# KiCad board helios-panel.kicad_pcb (continued)
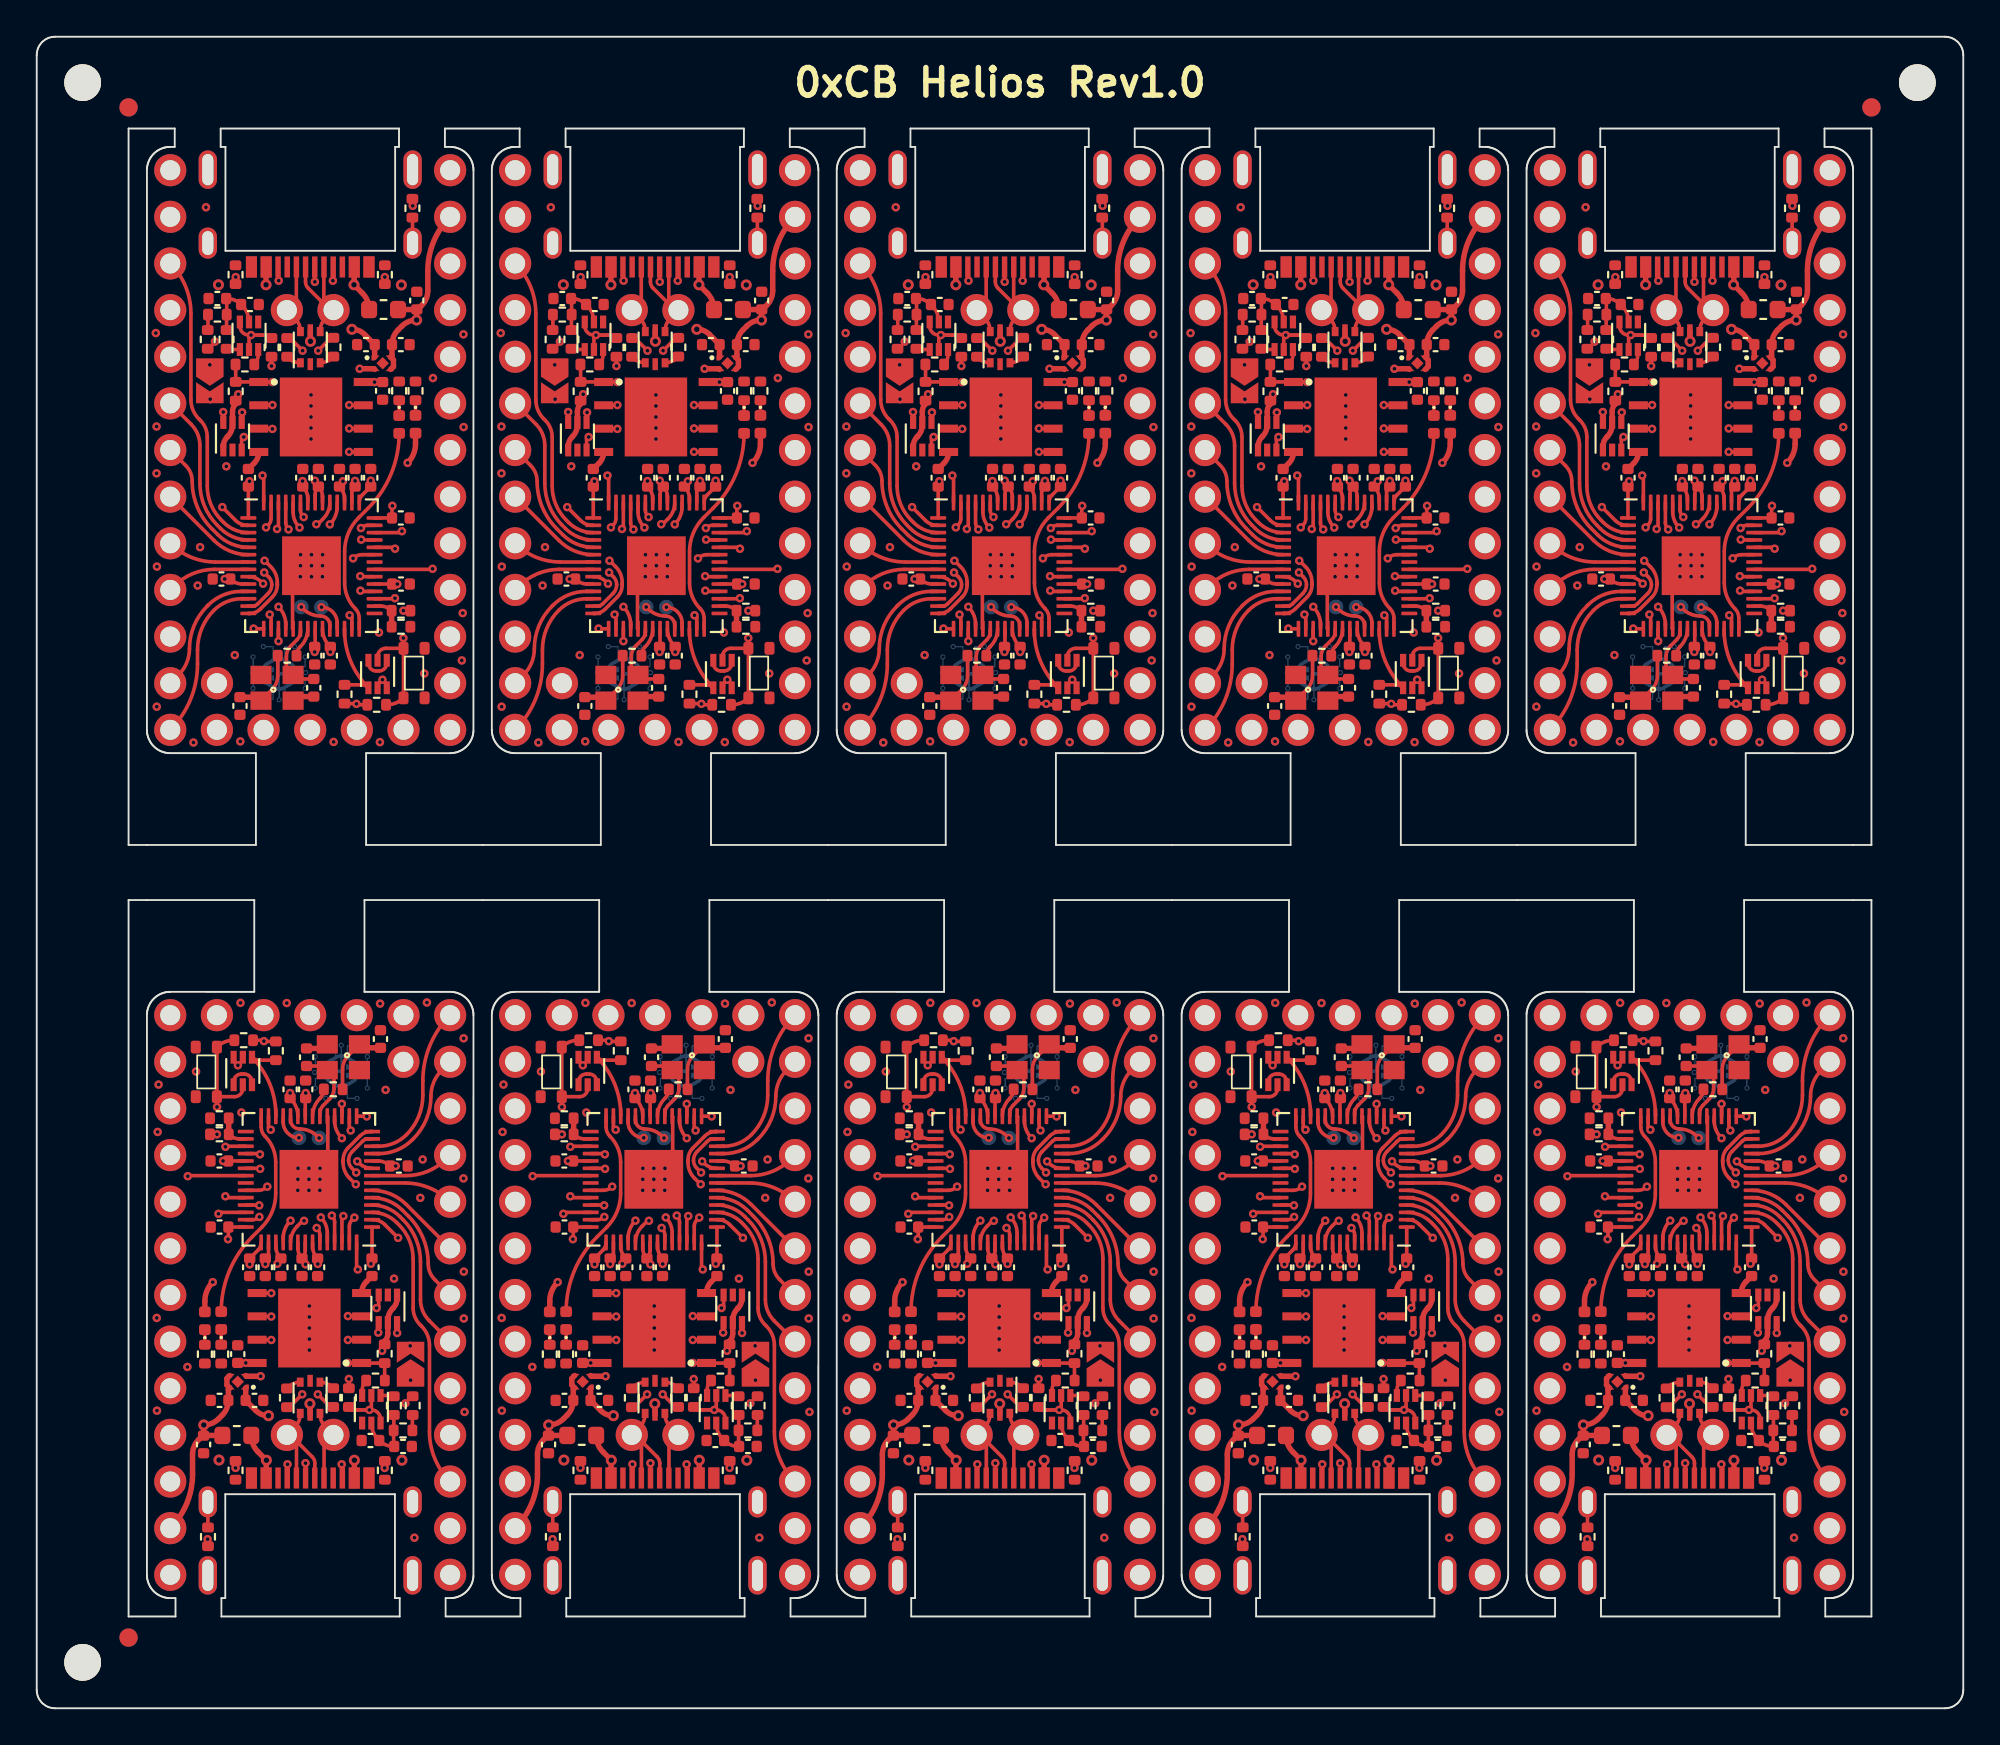
[diagram p0: board, top side]
## Routing (per net, layer and track width the routed paths; a pad name or vN(x,y) marks a point on that pad's centre or on a via; arc(x,y) is an arc through that point) (continued)
Board_7-Net-(Q2-Pad1): length 0.7
  Top w0.2: Q2#10.1 56.97,17.04 R4#8.1
Board_7-Net-(R5-Pad2): length 0.8
  Top w0.2: 58.03,15.98 58.02,15.96 R5#6.2
Board_7-Net-(R14-Pad2): length 1.6
  Top w0.2: R14#6.2 arc(53.14,33.45) 53,33.23 52.98,33.21 arc(52.68,32.77) U4#4.21
Board_7-VBUS: length 28.7
  Top w0.2: v1(47.38,31.26) R16#6.1
  Top w0.3: v2(54.86,13.51) 54.86,12.54 ; 50.06,12.54 50.06,13.5 v2(50.06,13.51) 49.62,13.96 arc(49.34,14.37) F1#9.1
  In2.Cu w0.2: v1(47.38,31.26) arc(46.85,30.48) 46.67,29.56 46.67,21.7 arc(47.55,17.27) v2(50.06,13.51)
  In2.Cu w0.3: v2(54.86,13.51) arc(54.59,12.86) 53.94,12.59 50.98,12.59 arc(50.33,12.86) v2(50.06,13.51)
Board_8-+1V1: length 15.7
  Top w0.2: v1(71.64,24.2) 71.64,24.21 C17#10.1 arc(71.43,24.8) 71.36,25.16 U4#5.50 ; v1(69.44,24.21) 69.64,24.4 C10.2 arc(69.43,24.8) 69.36,25.16 U4#5.45 ; v1(70.14,33.51) C19.1 70.17,33.2 arc(70.46,32.76) U4#5.23
  In2.Cu w0.2: v1(71.64,24.2) 70.61,25.24 ; 70.61,25.24 70.08,25.76 arc(69.79,26.2) 69.69,26.72 69.69,32.43 arc(69.8,33.01) v1(70.14,33.51) ; 70.61,25.24 69.58,24.21 v1(69.44,24.21)
Board_8-+3V3: length 20.5
  Top w0.2: 67.75,29.81 C12#10.1 v1(66.48,29.81) ; R3#2.1 68.72,36.32 v1(68.71,36.34) 68.66,36.39 R1#10.1 ; v1(70.97,24.18) 70.78,24.37 C14#7.1 ; U4#5.1 74.6,24.5 C16#6.1 74.59,24.27 v1(74.53,24.21) ; v1(75.89,29.54) C15#2.1 arc(75.28,29.74) 74.92,29.81 U4#5.10 ; v1(66.75,25.55) 66.78,25.57 C13#5.1 67.75,26.21 ; R2#6.1 v1(73.33,17.94) ; C6#7.1 v1(67.72,18.81) 67.73,18.81 U3#7.8 ; v1(67.94,24.18) C18#7.1 68.39,24.95 arc(68.51,25.14) U4#5.43 ; v1(68.78,24.19) C9#6.2 68.9,24.62 arc(68.94,24.68) 68.96,24.76 U4#5.44 ; v1(75.14,19.47) 75.14,19.68 R11#7.1 ; U4#5.48 70.56,25.04 arc(70.62,24.75) C14#7.1 ; U4#5.22 70.96,33.21 C11.1 ; U4#5.49 70.96,24.92 arc(70.91,24.69) C14#7.1
  Top w0.3: R11#7.1 75.28,20 75.34,20.05 arc(75.43,20.23) 75.46,20.42 U5#9.5 75.46,21.13 arc(75.53,21.48) 75.73,21.78 75.74,21.79 arc(75.9,22.03) 75.96,22.32 U5#9.1 ; U2#6.1 67.72,16.78 ; 67.72,16.77 68.27,16.21 arc(68.59,16) 68.95,15.93
  vias: v1(70.98,33.51) v1(75.8,23.4) v1(76.69,17.87) v2(68.96,15.94)
Board_8-+5V: length 25.1
  Top w0.3: 65.44,14.86 C3#9.1 65.38,14.85 65.16,14.63 arc(64.91,14.26) 64.83,13.83 64.83,12.74 arc(64.51,11.16) J2#9.30 ; 65.44,14.86 v2(65.44,15.43) arc(65.87,15.52) 66.24,15.76 66.44,15.97 arc(66.69,16.34) C4#5.1 66.78,17.38 U2#6.4 66.7,17.6 66.7,17.97 U2#6.3 ; 65.44,14.86 F1#3.2 ; v2(71.22,16.59) 71.22,16.58 71.22,15.98 ; v1(75.97,20.44) 75.96,20.45 U5#9.6
  In1.Cu w0.3: v1(75.97,20.44) 75.97,20.16 arc(75.69,18.77) 74.9,17.6 arc(73.77,16.84) 72.44,16.58 71.23,16.58 v2(71.22,16.59) 68.24,16.59 arc(66.72,16.29) v2(65.44,15.43)
Board_8-/0_TX0: length 18.4
  Top w0.2: U4#5.2 74.65,26.61 arc(75,26.54) 75.29,26.34 v1(76.02,25.62)
  In1.Cu w0.2: J2#9.2 78.85,10.38 arc(78.81,10.57) 78.7,10.73 78.67,10.77 arc(77.78,12.1) 77.47,13.68 77.47,22.91 arc(77.28,23.82) 76.77,24.59 76.21,25.15 arc(76.07,25.37) v1(76.02,25.62)
Board_8-/1_RX0: length 16.4
  Top w0.2: J2#9.3 arc(78.02,13.6) 77.72,15.07 77.72,19.77 arc(77.61,20.33) 77.29,20.81 77.21,20.9 arc(76.93,21.31) 76.83,21.8 76.83,24.47 arc(76.63,25.48) 76.06,26.33 75.94,26.45 arc(75.33,26.87) U4#5.3
Board_8-/2_SDA1: length 9.4
  Top w0.2: J2#9.6 77.71,21.11 arc(77.36,21.64) 77.23,22.26 77.23,24.33 arc(76.99,25.56) 76.29,26.6 76.11,26.78 arc(75.42,27.25) U4#5.4
Board_8-/3_SCL1: length 7.3
  Top w0.2: J2#9.7 78.01,23.35 arc(77.75,23.74) 77.66,24.21 arc(77.38,25.61) 76.58,26.8 76.26,27.12 arc(75.5,27.63) U4#5.5
Board_8-/4: length 5.4
  Top w0.2: J2#9.8 76.46,27.44 arc(75.61,28.01) U4#5.6
Board_8-/5: length 4.5
  Top w0.2: U4#5.7 76.39,28.61 arc(77.72,28.34) J2#9.9
Board_8-/6: length 4.6
  Top w0.2: U4#5.8 76.44,29.01 arc(77.63,29.25) 78.64,29.92 J2#9.10
Board_8-/7: length 6.9
  Top w0.2: U4#5.9 74.56,29.41 arc(74.2,29.48) 73.9,29.69 v1(73.8,29.79)
  In2.Cu w0.2: v1(73.8,29.79) 75.14,31.13 arc(76.84,32.27) J2#9.11
Board_8-/8: length 7.3
  Top w0.2: U4#5.11 74.98,30.21 arc(75.95,30.4) 76.78,30.95 76.85,31.02 arc(77.56,32.08) 77.81,33.34 arc(77.96,34.1) 78.39,34.75 J2#9.12
Board_8-/9: length 9.2
  Top w0.2: U4#5.12 74.96,30.61 arc(75.78,30.77) 76.47,31.24 arc(77.13,32.23) 77.36,33.39 77.36,34.16 arc(77.75,36.11) J2#9.13
Board_8-/10: length 26.5
  Top w0.2: v1(73.73,29.18) 73.5,29.42 arc(73.37,29.61) 73.32,29.84 arc(73.37,30.1) 73.52,30.32 74.09,30.89 arc(74.22,30.98) 74.37,31.01 U4#5.13
  In2.Cu w0.2: v1(73.73,29.18) 73.77,29.18 77.05,25.9 arc(77.46,25.28) 77.61,24.56 77.61,10.28 arc(77.93,8.65) J2#9.1
Board_8-/11: length 38
  Top w0.2: U4#5.14 74.51,31.41 arc(74.21,31.35) 73.95,31.18 73.3,30.53 arc(73.09,30.22) 73.02,29.86 73.02,29.73 arc(73.11,29.26) 73.38,28.87 73.7,28.54 v1(73.72,28.54)
  In1.Cu w0.2: v1(73.72,28.54) 73.72,28.35 arc(73.81,28.13) 74.03,28.04 arc(74.89,27.68) 75.24,26.82 75.24,26.59 arc(75.41,25.76) 75.88,25.06 76.54,24.4 arc(77,23.7) 77.17,22.88 77.17,14.39 arc(76.61,13.06) 75.28,12.51 66,12.51 arc(65.17,12.17) 64.83,11.33 64.83,10.2 arc(64.51,8.62) J2#9.31
Board_8-/12: length 6.6
  Top w0.2: v1(74.31,32.23) 74.3,32.25 U4#5.15
  In1.Cu w0.2: v1(74.31,32.23) 74.31,32.92 arc(74.83,35.53) J2#9.14
Board_8-/13: length 7.2
  Top w0.2: U4#5.16 73.36,31.55 v1(73.44,31.47)
  In1.Cu w0.2: J2#9.15 73.77,32.28 arc(73.68,31.84) v1(73.44,31.47)
Board_8-/14: length 6
  Top w0.2: U4#5.17 72.96,32.92 v1(72.95,32.92)
  In1.Cu w0.2: v1(72.95,32.92) 72.95,33.59 arc(72.51,35.84) J2#9.16
Board_8-/15: length 9.5
  Top w0.2: U4#5.18 72.56,32 arc(72.66,31.49) v1(72.95,31.05)
  In1.Cu w0.2: J2#9.17 71.23,35.21 arc(72.06,33.96) 72.36,32.5 arc(72.51,31.71) v1(72.95,31.05)
Board_8-/16: length 7.9
  Top w0.2: U4#5.27 68.96,31.64 v1(69.08,31.51)
  In1.Cu w0.2: J2#9.18 66.75,37.15 arc(68.48,34.56) v1(69.08,31.51)
Board_8-/20_SDI: length 4.9
  Top w0.2: v1(66.61,30.58) 66.64,30.61 U4#5.31
  In1.Cu w0.2: J2#9.21 65.05,31.23 arc(65.77,30.75) v1(66.61,30.58)
Board_8-/21_CS: length 10.1
  Top w0.2: v1(68.5,30.17) 68.45,30.21 U4#5.32
  In1.Cu w0.2: J2#9.19 66.51,34.85 arc(67.81,33.02) 68.44,30.88 68.44,30.22 v1(68.5,30.17)
Board_8-/22_SCK: length 5.9
  Top w0.2: U4#5.34 68.47,29.41 v1(68.5,29.38)
  In1.Cu w0.2: v1(68.5,29.38) 68.46,29.34 65.53,29.34 arc(64.49,29.54) J2#9.22
Board_8-/23_SDO: length 9.8
  Top w0.2: U4#5.35 64.59,29.01 v1(64.56,28.98)
  In2.Cu w0.2: v1(64.56,28.98) 64.69,29.11 64.69,32.83 arc(64.46,34.03) 63.78,35.04 J2#9.20
Board_8-/A0: length 4.2
  Top w0.2: U4#5.38 66.69,27.81 v1(66.61,27.89)
  In1.Cu w0.2: v1(66.61,27.89) 64.32,27.89 arc(63.94,27.81) J2#9.23
Board_8-/A1: length 6.5
  Top w0.2: v1(68.45,27.39) 68.44,27.41 U4#5.39
  In1.Cu w0.2: J2#9.24 65.71,27.15 arc(66,27.34) 66.34,27.41 68.43,27.41 v1(68.45,27.39)
Board_8-/A2: length 6.8
  Top w0.2: U4#5.40 66.31,27.01 v1(66.23,26.93)
  In1.Cu w0.2: J2#9.25 64.97,23.87 arc(65.91,25.27) v1(66.23,26.93)
Board_8-/A3: length 9.4
  Top w0.2: v1(68.47,26.76) 68.46,26.76 arc(68.3,26.65) 68.11,26.61 U4#5.41
  In1.Cu w0.2: J2#9.26 64.48,20.84 arc(64.77,21.28) 64.88,21.8 arc(65.1,22.91) 65.72,23.85 68.47,26.59 v1(68.47,26.76)
Board_8-/BOOT: length 0.9
  Top w0.2: Q2#4.3 74.06,17.33 arc(74.12,17.61) 74.28,17.85
Board_8-/D+: length 12.7
  Top w0.2: v1(71.64,17.1) 72.33,16.41 R12#7.2 ; v1(70.89,26.55) 70.82,26.55 70.53,26.26 arc(70.26,25.85) U4#5.47
  In1.Cu w0.2: v1(71.64,17.1) 71.02,17.73 arc(70.54,18.45) 70.37,19.29 70.37,20.15 70.37,24.04 arc(70.41,24.23) 70.52,24.39 70.61,24.49 arc(70.72,24.65) 70.76,24.84 70.76,26.41 v1(70.89,26.55)
Board_8-/D-: length 12.7
  Top w0.2: v1(70.8,17.1) 70.09,16.4 R13#3.2 ; U4#5.46 69.76,25.59 arc(69.86,26.12) v1(70.16,26.56)
  In1.Cu w0.2: v1(70.8,17.1) 70.8,17.11 arc(70.76,17.3) 70.65,17.46 arc(70.11,18.27) 69.92,19.22 69.92,20.53 arc(69.89,20.6) 69.83,20.62 arc(69.77,20.65) 69.74,20.71 69.74,20.83 arc(69.77,20.9) 69.83,20.92 69.92,20.92 69.92,20.93 69.98,20.93 arc(70.03,20.95) 70.05,21 70.05,21.17 arc(70.03,21.22) 69.98,21.23 arc(69.94,21.25) 69.92,21.3 69.92,24.22 arc(69.96,24.41) 70.07,24.58 70.16,24.67 arc(70.27,24.83) 70.31,25.03 70.31,26.21 arc(70.27,26.4) 70.16,26.56 v1(70.16,26.56)
Board_8-/LED: length 11.7
  Top w0.2: U4#5.28 68.56,31.66 arc(68.61,31.39) 68.77,31.16 arc(69.2,30.51) 69.36,29.74 69.36,28.04 arc(69.16,27.04) 68.59,26.19 68.07,25.68 arc(66.82,23.81) D2#3.2
Board_8-/PORT+: length 7.1
  Top w0.2: 70.98,12.54 70.98,13.34 v1(70.97,13.35) ; U1.6 71.76,16.04 arc(71.84,15.66) 72.06,15.33 J2#9.34 71.98,14.38 71.98,12.54
  In1.Cu w0.2: J2#9.34 72.33,14.89 70.97,13.53 v1(70.97,13.35)
Board_8-/PORT-: length 7.1
  Top w0.2: J2#9.33 70.39,15.32 arc(70.61,15.65) 70.69,16.03 U1.4 ; J2#9.33 70.48,14.37 70.48,12.54 ; J2#9.33 70.14,14.89 71.34,13.7 arc(71.45,13.53) 71.48,13.34 71.48,12.54
Board_8-/QSPI_CLK: length 11.3
  Top w0.2: U4#5.52 72.16,25.89 arc(72.07,26.35) v1(71.81,26.73) ; v1(69.11,21.34) 69.1,21.35 U3#7.6
  In2.Cu w0.2: v1(71.81,26.73) 71.81,26.64 arc(72.27,25.94) 72.44,25.13 72.44,23.85 arc(72.26,23.43) 71.84,23.26 69.14,23.26 arc(68.78,23.11) 68.64,22.76 68.64,22.48 arc(68.76,21.86) v1(69.11,21.34)
Board_8-/QSPI_CS: length 9.8
  Top w0.2: v1(73.83,23.9) 73.76,23.97 73.76,25.35 ; R9#3.1 75.28,17.86 R11#7.2 74.03,18.8 U3#7.1 73.29,18.81 v1(73.28,18.81)
  In2.Cu w0.2: v1(73.83,23.9) arc(74,23.64) 74.06,23.34 74.06,20.68 arc(73.86,19.67) v1(73.28,18.81)
Board_8-/QSPI_SD0: length 11.3
  Top w0.2: v1(72.41,26.84) 72.41,26.83 arc(72.52,26.67) 72.56,26.48 U4#5.53 ; v1(69.11,22.61) 69.11,22.62 U3#7.5
  In2.Cu w0.2: v1(72.41,26.84) 72.41,26.76 arc(72.65,26.4) 72.73,25.98 72.73,23.8 arc(72.49,23.21) 71.9,22.96 71.06,22.96 arc(70.96,22.92) 70.92,22.81 70.92,22.56 arc(70.87,22.45) 70.77,22.41 arc(70.66,22.45) 70.61,22.56 70.61,22.81 arc(70.57,22.92) 70.47,22.96 arc(70.36,22.92) 70.31,22.81 70.31,22.56 arc(70.27,22.45) 70.17,22.41 arc(70.06,22.45) 70.02,22.56 70.02,22.81 arc(69.97,22.92) 69.86,22.96 arc(69.49,22.89) 69.17,22.67 v1(69.11,22.61)
Board_8-/QSPI_SD1: length 11.4
  Top w0.2: v1(73.64,26.72) 73.51,26.6 arc(73.4,26.43) 73.36,26.24 U4#5.55 ; U3#7.2 73.3,20.08 v1(73.28,20.06)
  In2.Cu w0.2: v1(73.64,26.72) 73.47,26.56 arc(73.37,26.41) 73.33,26.24 arc(73.38,26.13) 73.48,26.09 73.58,26.09 arc(73.69,26.05) 73.73,25.94 arc(73.69,25.83) 73.58,25.79 73.48,25.79 arc(73.38,25.75) 73.33,25.64 arc(73.38,25.53) 73.48,25.49 73.58,25.49 arc(73.69,25.45) 73.73,25.34 arc(73.69,25.23) 73.58,25.19 73.48,25.19 arc(73.38,25.15) 73.33,25.04 arc(73.38,24.93) 73.48,24.89 73.58,24.89 arc(73.69,24.85) 73.73,24.74 arc(73.69,24.63) 73.58,24.59 73.48,24.59 arc(73.38,24.55) 73.33,24.44 73.33,23.88 arc(73.37,23.69) 73.48,23.53 73.61,23.4 arc(73.72,23.23) 73.76,23.04 73.76,22.7 arc(73.72,22.6) 73.61,22.55 73.51,22.55 arc(73.4,22.51) 73.36,22.4 arc(73.4,22.3) 73.51,22.25 73.61,22.25 arc(73.72,22.21) 73.76,22.1 73.76,21.2 arc(73.64,20.59) v1(73.28,20.06)
Board_8-/QSPI_SD2: length 11.3
  Top w0.2: v1(73.03,26.81) 72.96,26.73 U4#5.54 ; v1(73.28,21.36) 73.3,21.35 U3#7.3
  In2.Cu w0.2: v1(73.03,26.81) 73.03,22.81 arc(72.99,22.7) 72.89,22.66 72.19,22.66 arc(72.08,22.62) 72.03,22.51 arc(72.08,22.4) 72.19,22.36 72.89,22.36 arc(72.99,22.32) 73.03,22.21 arc(72.99,22.1) 72.89,22.06 72.19,22.06 arc(72.08,22.02) 72.03,21.91 arc(72.08,21.8) 72.19,21.76 72.89,21.76 arc(72.99,21.72) 73.03,21.61 v1(73.28,21.36)
Board_8-/QSPI_SD3: length 11.4
  Top w0.2: v1(69.11,20.06) 69.09,20.08 U3#7.7 ; v1(71.58,26.16) 71.61,26.13 arc(71.72,25.97) 71.76,25.78 U4#5.51
  In2.Cu w0.2: v1(71.58,26.16) arc(71.99,25.55) 72.13,24.84 72.13,23.91 arc(72.04,23.68) 71.8,23.58 69.12,23.58 arc(68.54,23.34) 68.3,22.76 68.3,22.03 arc(68.51,20.96) v1(69.11,20.06)
Board_8-/RESET: length 24.7
  Top w0.2: v1(66.16,32.75) 66.15,32.76 SW1#4.2 ; SW1#4.2 67.11,33.31 arc(67.43,33.44) 67.56,33.76 Q1#4.2 67.56,33.96 ; SW1#4.2 SW1#4.2 arc(66.57,36.29) 67.06,36.39 R1#10.2
  In2.Cu w0.2: J2#9.28 arc(64.75,16.6) 65.15,18.61 65.15,30.33 arc(65.41,31.64) v1(66.16,32.75)
Board_8-/RGB_5V: length 17.5
  Top w0.2: U5#9.4 74.96,20.48 v1(74.94,20.46)
  In2.Cu w0.2: v1(74.94,20.46) arc(75.22,20.89) 75.32,21.39 75.32,24.88 arc(75.09,26.04) 74.43,27.02 73.16,28.29 arc(72.85,28.76) 72.74,29.31 arc(72.86,29.92) 73.21,30.44 75.12,32.34 arc(76,33.66) J2#9.32
Board_8-/RGB_DO: length 15.4
  Top w0.2: U4#5.37 68.41,28.21 arc(68.67,28.26) v1(68.89,28.41) ; U5#9.3 74.96,21.92 v1(74.84,21.8)
  In1.Cu w0.2: v1(74.84,21.8) 75.64,21.8 arc(76.29,22.07) 76.56,22.73 arc(76.42,23.46) 76,24.08 75.23,24.86 arc(74.79,25.51) 74.64,26.28 74.64,26.79 arc(74.45,27.25) 74,27.44 70.76,27.44 arc(69.94,27.6) 69.24,28.06 v1(68.89,28.41)
Board_8-/RST: length 4.9
  Top w0.2: U4#5.26 69.36,32.32 arc(69.02,34.02) Q1#4.4 68.07,35.45 arc(68.24,35.34) 68.43,35.3 R3#2.2
Board_8-/SWD_CLK: length 2.2
  Top w0.2: v1(71.72,31.06) 71.62,31.15 arc(71.18,31.45) 70.66,31.55 arc(70.31,31.7) 70.16,32.05 U4#5.24
Board_8-/SWD_IO: length 1.7
  Top w0.2: U4#5.25 69.76,31.92 arc(70.01,31.32) v1(70.61,31.07)
Board_8-/USB+: length 0.8
  Top w0.2: R12#7.1 72.43,17.48 arc(72.13,17.69) U1.1
Board_8-/USB-: length 0.8
  Top w0.2: R13#3.1 70.03,17.49 arc(70.33,17.69) U1.3
Board_8-GND: length 8.8
  Top w0.2: Q1#4.1 67.06,34.12 arc(67.19,34.42) 67.49,34.54 67.63,34.54 arc(67.93,34.42) 68.06,34.12 Q1#4.3 ; v1(71.16,28.81) 72.19,29.84 72.19,32.22 U4#5.19
  Top w0.3: C16#6.2 74.28,23.23 arc(74.1,22.95) U3#7.4 ; v1(68.53,18.09) 67.75,18.09 U2#6.2 ; C7#2.1 71.94,35.94 Y1#10.2
  vias: v1(62.92,31.39) v1(62.88,21.26) v1(62.89,16.21) v1(62.97,33.97) v1(64.55,18.59) v1(65.02,34.68) v1(65.64,9.21) v1(67.44,38.42) v1(67.48,32.45) v1(69.95,38.41) v1(70.56,29.41) v1(70.56,28.81) v1(70.56,28.21) v1(71.16,29.41) v1(71.16,28.21) v1(71.19,21.91) v1(71.19,21.31) v1(71.19,20.71) v1(71.19,20.11) v1(71.19,19.51) v1(71.77,29.41) v1(71.76,28.81) v1(71.75,28.21) v1(75.03,38.38) v1(75.33,33.68) v1(76.42,16.61) v1(76.91,9.29) v1(77.22,27.8) v1(77.36,29.89) v1(77.58,38.44) v1(79.58,36.49) v1(79.58,28.86) v1(79.59,23.78) v1(79.59,21.23) v1(79.64,16.14) v2(66.27,13.52) v2(76.22,13.51)
Board_8-Net-(C1-Pad1): length 3.7
  Top w0.2: 75.78,15.98 75.78,15.15 75.78,15.14 75.78,14.29 C1#6.1 75.77,14.26 arc(75.35,14.34) C2#5.1 74.93,14.65 arc(74.66,15.05) Q2#4.5
Board_8-Net-(C7-Pad2): length 4.1
  Top w0.2: C7#2.2 71.94,34.98 Y1#10.3 72.38,34.54 arc(72.49,34.38) 72.53,34.19 72.53,33.76 arc(72.46,33.45) 72.29,33.18 71.94,32.83 arc(71.81,32.64) 71.76,32.4 U4#5.20
Board_8-Net-(C8-Pad2): length 4
  Top w0.2: Y1#10.1 73.31,35.56 arc(73.08,35.21) 73,34.8 R14#5.1
  Top w0.3: Y1#10.1 74.1,35.97 C8.2
Board_8-Net-(D1-Pad1): length 0.8
  Top w0.2: D1#6.1 R10#8.1
Board_8-Net-(D1-Pad2): length 24.2
  Top w0.2: JP1.2 76.67,19.48 v1(76.67,19.74)
  Top w0.3: D1#6.2 65.5,22.17 arc(65.61,22.73) v1(65.92,23.21)
  In1.Cu w0.2: v1(76.67,19.74) 76.69,19.74 arc(76.82,19.94) 76.86,20.17 76.86,22.84 arc(76.72,23.58) 76.3,24.21 75.55,24.96 arc(75.1,25.63) 74.94,26.42 74.94,26.81 arc(74.67,27.46) 74.02,27.74 70.74,27.74 arc(70.33,27.82) 69.99,28.05 69.28,28.76 arc(68.92,28.9) 68.57,28.76 68.55,28.74 arc(68.41,28.39) 68.55,28.03 68.79,27.79 arc(69.15,26.92) 68.79,26.05 65.95,23.21 v1(65.92,23.21)
Board_8-Net-(D2-Pad1): length 0.8
  Top w0.2: D2#3.1 R15#7.1
Board_8-Net-(FB1-Pad1): length 1.4
  Top w0.2: 65.66,11.24 65.66,9.86 FB1#4.1
Board_8-Net-(J1-PadA5): length 4.1
  Top w0.2: v1(70,13.29) 69.98,13.28 69.98,12.54 ; R7#7.2 v1(67.17,13.09)
  In1.Cu w0.2: v1(67.17,13.09) 67.27,12.99 69.26,12.99 arc(69.66,13.06) v1(70,13.29)
Board_8-Net-(J1-PadB5): length 3.6
  Top w0.2: R8#10.2 75.3,13.1 v1(75.28,13.09) ; 72.98,12.54 72.98,13.25 v1(72.95,13.29)
  In1.Cu w0.2: v1(75.28,13.09) 75.18,12.99 73.67,12.99 arc(73.28,13.06) v1(72.95,13.29)
Board_8-Net-(Q1-Pad5): length 28.5
  Top w0.2: 73.81,16.25 74.56,16.25 arc(74.91,16.1) 75.06,15.75 Q2#4.6 ; 73.81,16.25 73.5,16.25 R2#6.2 ; 73.81,16.25 v1(74.45,16.25) 74.56,16.36 Q2#4.2 ; Q1#4.5 67.56,35.29 v1(67.3,35.02) 67.06,35.26 Q1#4.6
  In2.Cu w0.2: v1(74.45,16.25) 74.57,16.37 arc(74.68,16.54) 74.72,16.73 74.72,18.81 arc(74.68,19) 74.57,19.16 74.54,19.2 arc(74.41,19.4) 74.36,19.63 74.36,22.2 arc(74.44,22.59) 74.66,22.92 arc(74.93,23.32) 75.02,23.79 75.02,24.77 arc(74.79,25.92) 74.14,26.89 72.89,28.14 arc(72.56,28.64) 72.44,29.22 72.44,31.62 arc(71.45,34.02) 69.04,35.02 67.3,35.02 v1(67.3,35.02)
Board_8-Net-(Q2-Pad1): length 0.7
  Top w0.2: Q2#4.1 75.75,17.04 R4#10.1
Board_8-Net-(R5-Pad2): length 0.8
  Top w0.2: 76.81,15.98 76.8,15.96 R5#8.2
Board_8-Net-(R14-Pad2): length 1.6
  Top w0.2: R14#5.2 arc(71.92,33.45) 71.78,33.23 71.76,33.21 arc(71.46,32.77) U4#5.21
Board_8-VBUS: length 28.7
  Top w0.2: v1(66.16,31.26) 65.78,31.26
  Top w0.3: v2(73.64,13.51) 73.64,12.54 ; 68.83,12.54 68.83,13.5 v2(68.84,13.51) 68.4,13.96 arc(68.12,14.37) F1#3.1
  In2.Cu w0.2: v1(66.16,31.26) arc(65.63,30.48) 65.45,29.56 65.45,21.7 arc(66.33,17.27) v2(68.84,13.51)
  In2.Cu w0.3: v2(73.64,13.51) arc(73.37,12.86) 72.72,12.59 69.76,12.59 arc(69.11,12.86) v2(68.84,13.51)
Board_9-+1V1: length 15.7
  Top w0.2: v1(90.42,24.2) 90.42,24.21 C17#7.1 arc(90.21,24.8) 90.14,25.16 U4#3.50 ; v1(88.22,24.21) 88.42,24.4 C10#10.2 arc(88.21,24.8) 88.14,25.16 U4#3.45 ; v1(88.92,33.51) C19#2.1 88.95,33.2 arc(89.24,32.76) U4#3.23
  In2.Cu w0.2: v1(90.42,24.2) 89.39,25.24 ; 89.39,25.24 88.86,25.76 arc(88.57,26.2) 88.47,26.72 88.47,32.43 arc(88.58,33.01) v1(88.92,33.51) ; 89.39,25.24 88.36,24.21 v1(88.22,24.21)
Board_9-+3V3: length 20.5
  Top w0.2: 86.53,29.81 C12#4.1 v1(85.27,29.81) ; R3#5.1 87.5,36.32 v1(87.49,36.34) 87.44,36.39 R1#7.1 ; v1(89.75,24.18) 89.56,24.37 C14#10.1 ; U4#3.1 93.38,24.5 C16#7.1 93.38,24.27 v1(93.31,24.21) ; v1(94.67,29.54) C15.1 arc(94.06,29.74) 93.7,29.81 U4#3.10 ; v1(85.53,25.55) 85.56,25.57 C13#10.1 86.53,26.21 ; R2#4.1 v1(92.11,17.94) ; C6#2.1 v1(86.5,18.81) 86.51,18.81 U3#3.8 ; v1(86.72,24.18) C18#10.1 87.17,24.95 arc(87.29,25.14) U4#3.43 ; v1(87.56,24.19) C9#5.2 87.68,24.62 arc(87.72,24.68) 87.74,24.76 U4#3.44 ; v1(93.92,19.47) 93.92,19.68 R11#4.1 ; U4#3.48 89.34,25.04 arc(89.4,24.75) C14#10.1 ; U4#3.22 89.74,33.21 C11#8.1 ; U4#3.49 89.74,24.92 arc(89.69,24.69) C14#10.1
  Top w0.3: R11#4.1 94.06,20 94.12,20.05 arc(94.21,20.23) 94.24,20.42 U5#6.5 94.24,21.13 arc(94.31,21.48) 94.51,21.78 94.52,21.79 arc(94.68,22.03) 94.74,22.32 U5#6.1 ; U2#4.1 86.5,16.78 ; 86.5,16.77 87.05,16.21 arc(87.37,16) 87.73,15.93
  vias: v1(89.77,33.51) v1(94.58,23.4) v1(95.47,17.87) v2(87.74,15.94)
Board_9-+5V: length 25.1
  Top w0.3: 84.22,14.86 C3#7.1 84.16,14.85 83.94,14.63 arc(83.69,14.26) 83.61,13.83 83.61,12.74 arc(83.29,11.16) J2#4.30 ; 84.22,14.86 v2(84.22,15.43) arc(84.65,15.52) 85.02,15.76 85.22,15.97 arc(85.47,16.34) C4#9.1 85.56,17.38 U2#4.4 85.48,17.6 85.48,17.97 U2#4.3 ; 84.22,14.86 F1.2 ; v2(90,16.59) 90,16.58 90,15.98 ; v1(94.75,20.44) 94.74,20.45 U5#6.6
  In1.Cu w0.3: v1(94.75,20.44) 94.75,20.16 arc(94.47,18.77) 93.68,17.6 arc(92.55,16.84) 91.22,16.58 90.01,16.58 v2(90,16.59) 87.02,16.59 arc(85.5,16.29) v2(84.22,15.43)
Board_9-/0_TX0: length 18.4
  Top w0.2: U4#3.2 93.43,26.61 arc(93.78,26.54) 94.07,26.34 v1(94.8,25.62)
  In1.Cu w0.2: J2#4.2 97.63,10.38 arc(97.59,10.57) 97.48,10.73 97.45,10.77 arc(96.56,12.1) 96.25,13.68 96.25,22.91 arc(96.06,23.82) 95.55,24.59 94.99,25.15 arc(94.85,25.37) v1(94.8,25.62)
Board_9-/1_RX0: length 16.4
  Top w0.2: J2#4.3 arc(96.8,13.6) 96.5,15.07 96.5,19.77 arc(96.39,20.33) 96.07,20.81 95.99,20.9 arc(95.71,21.31) 95.61,21.8 95.61,24.47 arc(95.41,25.48) 94.84,26.33 94.72,26.45 arc(94.11,26.87) U4#3.3
Board_9-/2_SDA1: length 9.4
  Top w0.2: J2#4.6 96.49,21.11 arc(96.14,21.64) 96.02,22.26 96.02,24.33 arc(95.77,25.56) 95.07,26.6 94.89,26.78 arc(94.2,27.25) U4#3.4
Board_9-/3_SCL1: length 7.3
  Top w0.2: J2#4.7 96.79,23.35 arc(96.53,23.74) 96.44,24.21 arc(96.16,25.61) 95.36,26.8 95.04,27.12 arc(94.28,27.63) U4#3.5
Board_9-/4: length 5.4
  Top w0.2: J2#4.8 95.24,27.44 arc(94.39,28.01) U4#3.6
Board_9-/5: length 4.5
  Top w0.2: U4#3.7 95.17,28.61 arc(96.5,28.34) J2#4.9
Board_9-/6: length 4.6
  Top w0.2: U4#3.8 95.22,29.01 arc(96.41,29.25) 97.42,29.92 J2#4.10
Board_9-/7: length 6.9
  Top w0.2: U4#3.9 93.34,29.41 arc(92.98,29.48) 92.68,29.69 v1(92.58,29.79)
  In2.Cu w0.2: v1(92.58,29.79) 93.92,31.13 arc(95.62,32.27) J2#4.11
Board_9-/8: length 7.3
  Top w0.2: U4#3.11 93.76,30.21 arc(94.73,30.4) 95.56,30.95 95.63,31.02 arc(96.34,32.08) 96.58,33.34 arc(96.74,34.1) 97.17,34.75 J2#4.12
Board_9-/9: length 9.2
  Top w0.2: U4#3.12 93.74,30.61 arc(94.56,30.77) 95.25,31.24 arc(95.91,32.23) 96.14,33.39 96.14,34.16 arc(96.53,36.11) J2#4.13
Board_9-/10: length 26.5
  Top w0.2: v1(92.52,29.18) 92.28,29.42 arc(92.15,29.61) 92.1,29.84 arc(92.15,30.1) 92.3,30.32 92.87,30.89 arc(93,30.98) 93.15,31.01 U4#3.13
  In2.Cu w0.2: v1(92.52,29.18) 92.55,29.18 95.83,25.9 arc(96.24,25.28) 96.39,24.56 96.39,10.28 arc(96.71,8.65) J2#4.1
Board_9-/11: length 38
  Top w0.2: U4#3.14 93.29,31.41 arc(92.99,31.35) 92.73,31.18 92.08,30.53 arc(91.87,30.22) 91.8,29.86 91.8,29.73 arc(91.89,29.26) 92.16,28.87 92.48,28.54 v1(92.5,28.54)
  In1.Cu w0.2: v1(92.5,28.54) 92.5,28.35 arc(92.59,28.13) 92.81,28.04 arc(93.67,27.68) 94.02,26.82 94.02,26.59 arc(94.19,25.76) 94.66,25.06 95.32,24.4 arc(95.78,23.7) 95.94,22.88 95.94,14.39 arc(95.39,13.06) 94.06,12.51 84.78,12.51 arc(83.95,12.17) 83.61,11.33 83.61,10.2 arc(83.29,8.62) J2#4.31
Board_9-/12: length 6.6
  Top w0.2: v1(93.09,32.23) 93.08,32.25 U4#3.15
  In1.Cu w0.2: v1(93.09,32.23) 93.09,32.92 arc(93.61,35.53) J2#4.14
Board_9-/13: length 7.2
  Top w0.2: U4#3.16 92.14,31.55 v1(92.22,31.47)
  In1.Cu w0.2: J2#4.15 92.55,32.28 arc(92.46,31.84) v1(92.22,31.47)
Board_9-/14: length 6
  Top w0.2: U4#3.17 91.74,32.92 v1(91.73,32.92)
  In1.Cu w0.2: v1(91.73,32.92) 91.73,33.59 arc(91.29,35.84) J2#4.16
Board_9-/15: length 9.5
  Top w0.2: U4#3.18 91.34,32 arc(91.44,31.49) v1(91.73,31.05)
  In1.Cu w0.2: J2#4.17 90.01,35.21 arc(90.84,33.96) 91.14,32.5 arc(91.29,31.71) v1(91.73,31.05)
Board_9-/16: length 7.9
  Top w0.2: U4#3.27 87.74,31.64 v1(87.86,31.51)
  In1.Cu w0.2: J2#4.18 85.53,37.15 arc(87.26,34.56) v1(87.86,31.51)
Board_9-/20_SDI: length 4.9
  Top w0.2: v1(85.39,30.58) 85.42,30.61 U4#3.31
  In1.Cu w0.2: J2#4.21 83.83,31.23 arc(84.55,30.75) v1(85.39,30.58)
Board_9-/21_CS: length 10.1
  Top w0.2: v1(87.28,30.17) 87.23,30.21 U4#3.32
  In1.Cu w0.2: J2#4.19 85.29,34.85 arc(86.59,33.02) 87.22,30.88 87.22,30.22 v1(87.28,30.17)
Board_9-/22_SCK: length 5.9
  Top w0.2: U4#3.34 87.25,29.41 v1(87.28,29.38)
  In1.Cu w0.2: v1(87.28,29.38) 87.24,29.34 84.31,29.34 arc(83.27,29.54) J2#4.22
Board_9-/23_SDO: length 9.8
  Top w0.2: U4#3.35 83.38,29.01 v1(83.34,28.98)
  In2.Cu w0.2: v1(83.34,28.98) 83.47,29.11 83.47,32.83 arc(83.24,34.03) 82.56,35.04 J2#4.20
Board_9-/A0: length 4.2
  Top w0.2: U4#3.38 85.47,27.81 v1(85.39,27.89)
  In1.Cu w0.2: v1(85.39,27.89) 83.1,27.89 arc(82.72,27.81) J2#4.23
Board_9-/A1: length 6.5
  Top w0.2: v1(87.23,27.39) 87.22,27.41 U4#3.39
  In1.Cu w0.2: J2#4.24 84.49,27.15 arc(84.78,27.34) 85.12,27.41 87.21,27.41 v1(87.23,27.39)
Board_9-/A2: length 6.8
  Top w0.2: U4#3.40 85.09,27.01 v1(85.02,26.93)
  In1.Cu w0.2: J2#4.25 83.75,23.87 arc(84.69,25.27) v1(85.02,26.93)
Board_9-/A3: length 9.4
  Top w0.2: v1(87.25,26.76) 87.24,26.76 arc(87.08,26.65) 86.89,26.61 U4#3.41
  In1.Cu w0.2: J2#4.26 83.26,20.84 arc(83.55,21.28) 83.66,21.8 arc(83.88,22.91) 84.5,23.85 87.25,26.59 v1(87.25,26.76)
Board_9-/BOOT: length 0.9
  Top w0.2: Q2#6.3 92.84,17.33 arc(92.9,17.61) 93.06,17.85
Board_9-/D+: length 12.7
  Top w0.2: v1(90.42,17.1) 91.11,16.41 R12#2.2 ; v1(89.67,26.55) 89.6,26.55 89.31,26.26 arc(89.04,25.85) U4#3.47
  In1.Cu w0.2: v1(90.42,17.1) 89.8,17.73 arc(89.32,18.45) 89.15,19.29 89.15,20.15 89.15,24.04 arc(89.19,24.23) 89.3,24.39 89.39,24.49 arc(89.5,24.65) 89.54,24.84 89.54,26.41 v1(89.67,26.55)
Board_9-/D-: length 12.7
  Top w0.2: v1(89.58,17.1) 88.88,16.4 R13#5.2 ; U4#3.46 88.54,25.59 arc(88.64,26.12) v1(88.94,26.56)
  In1.Cu w0.2: v1(89.58,17.1) 89.58,17.11 arc(89.54,17.3) 89.43,17.46 arc(88.89,18.27) 88.7,19.22 88.7,20.53 arc(88.67,20.6) 88.61,20.62 arc(88.55,20.65) 88.52,20.71 88.52,20.83 arc(88.55,20.9) 88.61,20.92 88.7,20.92 88.7,20.93 88.76,20.93 arc(88.81,20.95) 88.83,21 88.83,21.17 arc(88.81,21.22) 88.76,21.23 arc(88.72,21.25) 88.7,21.3 88.7,24.22 arc(88.74,24.41) 88.85,24.58 88.94,24.67 arc(89.05,24.83) 89.09,25.03 89.09,26.21 arc(89.05,26.4) 88.94,26.56 v1(88.94,26.56)
Board_9-/LED: length 11.7
  Top w0.2: U4#3.28 87.34,31.66 arc(87.39,31.39) 87.55,31.16 arc(87.98,30.51) 88.14,29.74 88.14,28.04 arc(87.94,27.04) 87.37,26.19 86.85,25.68 arc(85.6,23.81) D2#2.2
Board_9-/PORT+: length 7.1
  Top w0.2: 89.77,12.54 89.77,13.34 v1(89.75,13.35) ; U1#5.6 90.54,16.04 arc(90.62,15.66) 90.84,15.33 J2#4.34 90.77,14.38 90.77,12.54
  In1.Cu w0.2: J2#4.34 91.11,14.89 89.75,13.53 v1(89.75,13.35)
Board_9-/PORT-: length 7.1
  Top w0.2: J2#4.33 89.17,15.32 arc(89.39,15.65) 89.47,16.03 U1#5.4 ; J2#4.33 89.27,14.37 89.27,12.54 ; J2#4.33 88.92,14.89 90.12,13.7 arc(90.23,13.53) 90.27,13.34 90.27,12.54